# Altium PCB PS-010.PcbDoc (part 2 of 3) (continued)
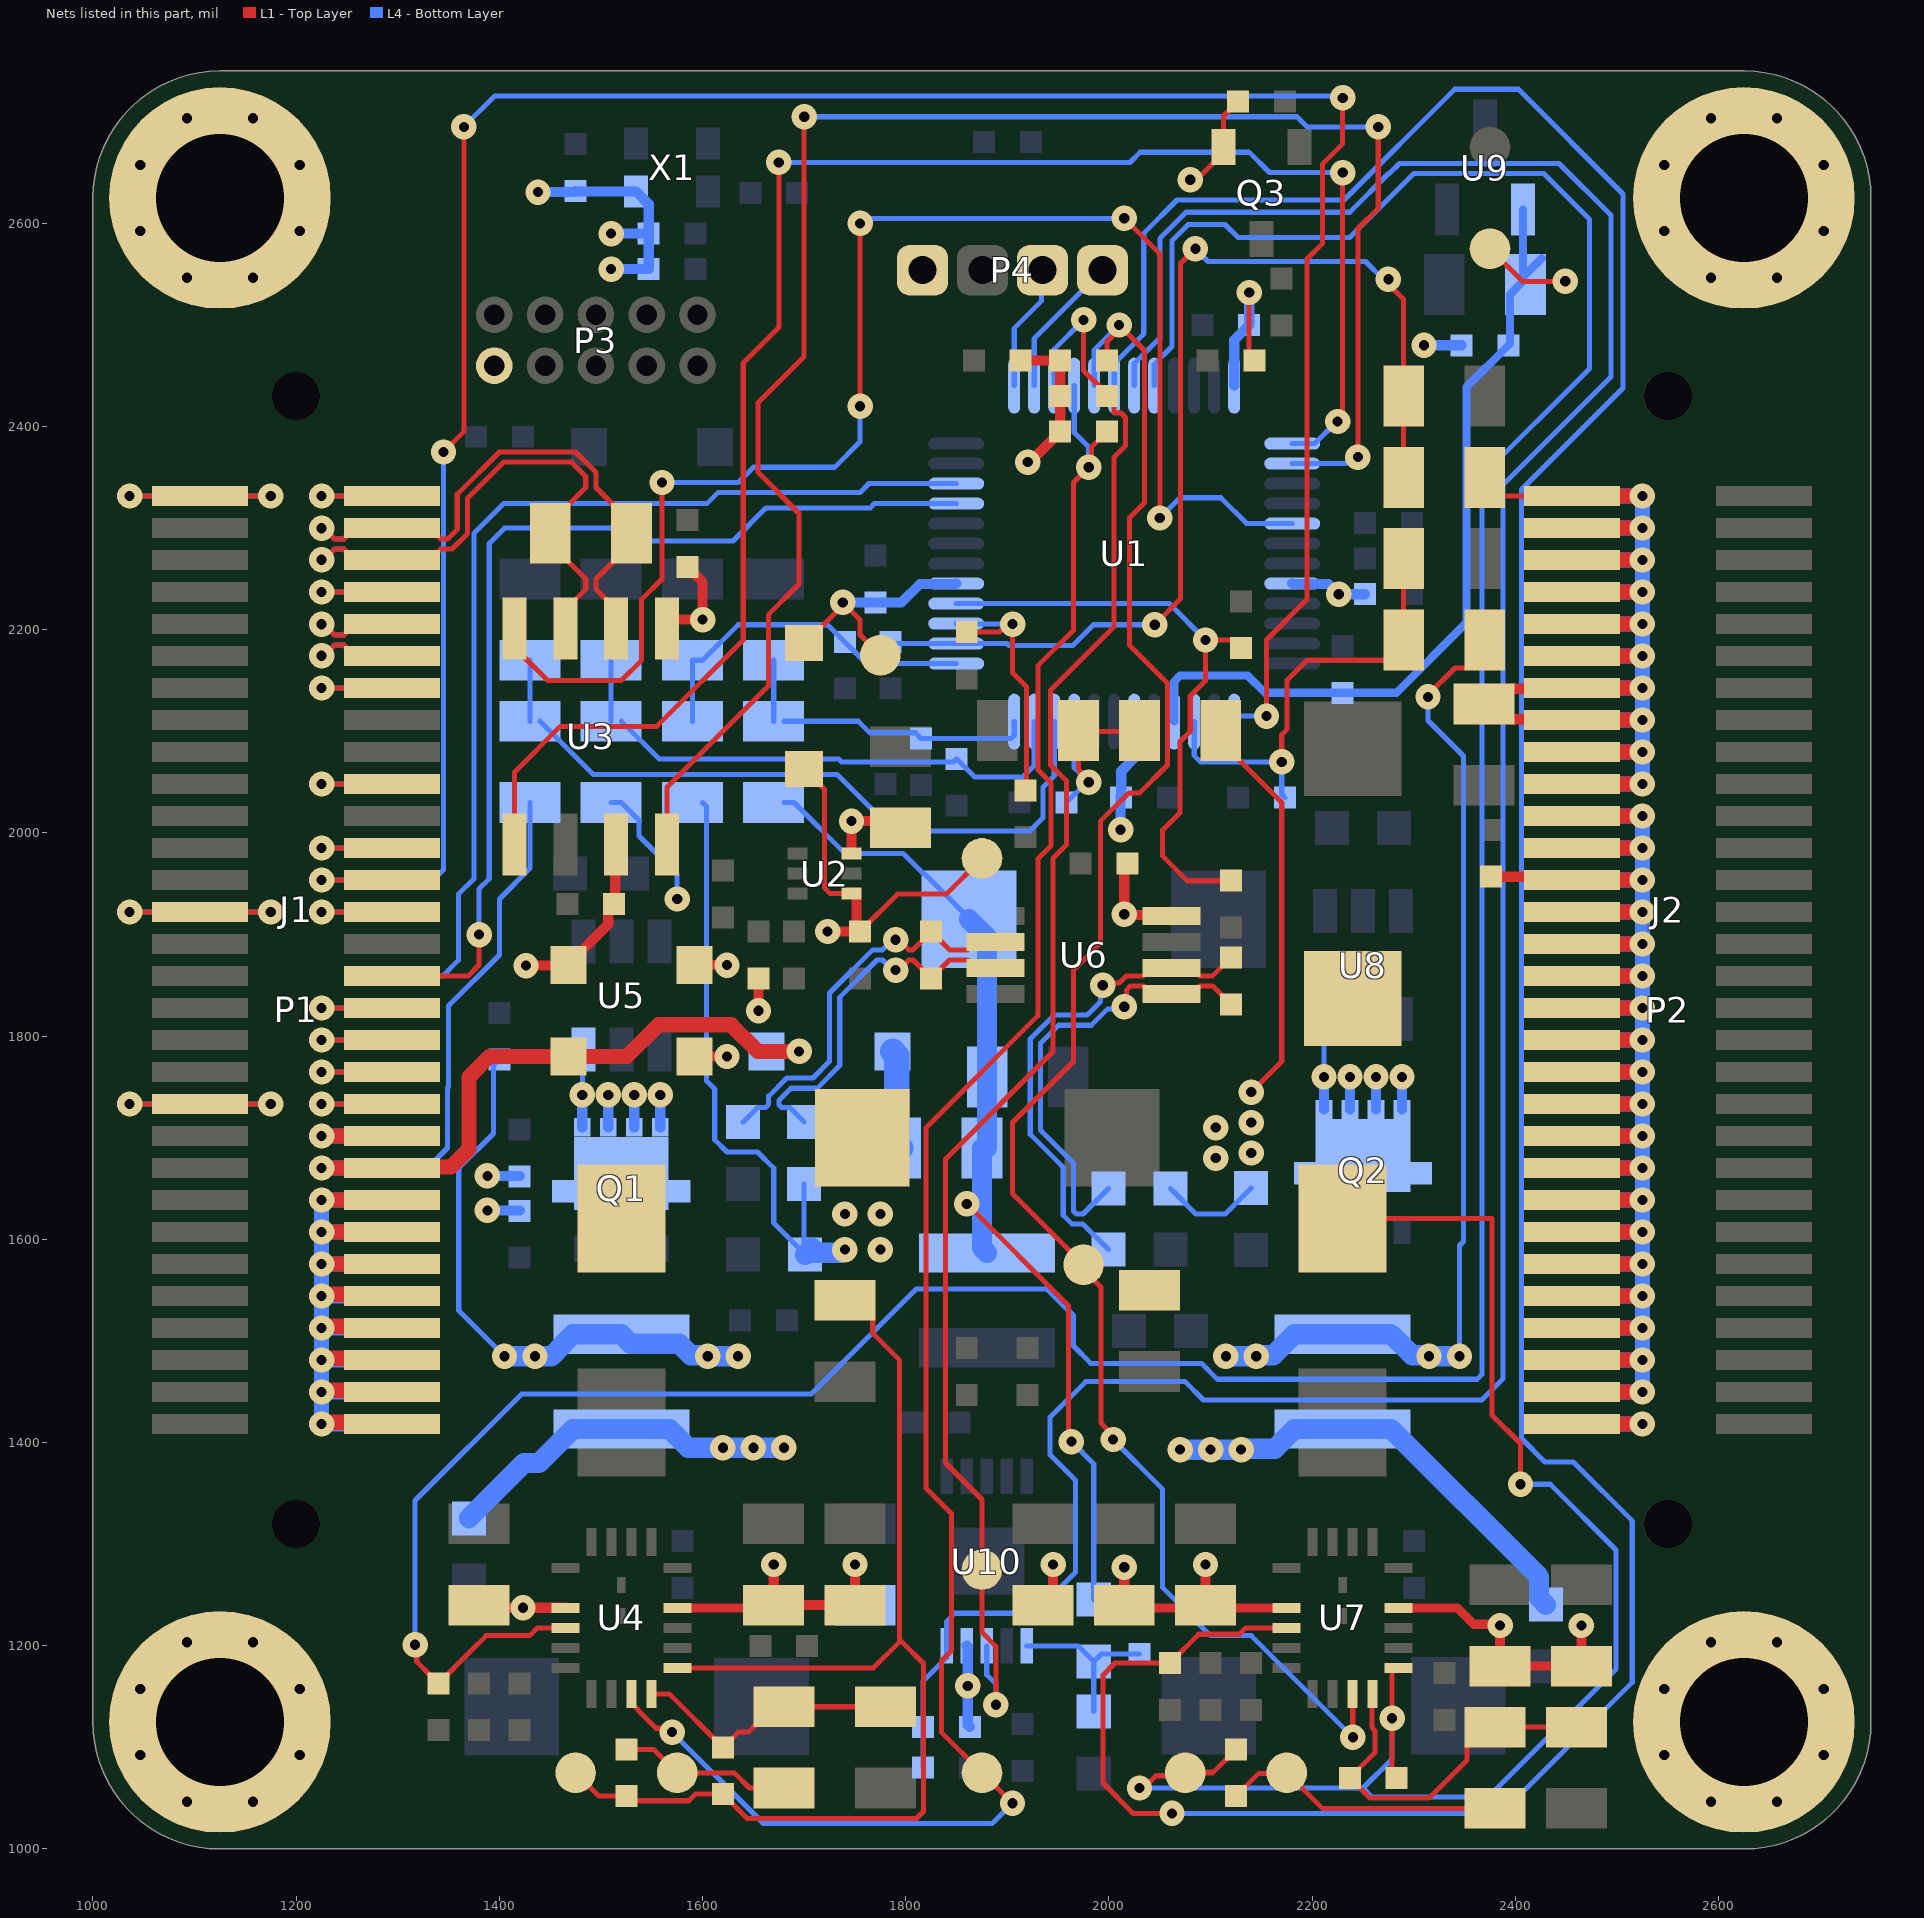
[diagram p4: the nets of this part, all layers, seen from the top]
## Nets (pads, with @x,y where several pads share a name; then routed paths per layer and width w, separated by ;. In a path a pad name is that pad's centre, name@x,y a point inside that pad or via, vN(x,y) a via of type N, cw(c..) or ccw(c..) an arc to the next point about the centre after c; other vN are vias at no path point) (continued)
  L4 - Bottom Layer w10: v1(1388.21,1628.51) C20.1@1420.21,1628.51 ; v1(1388.21,1662.51) C19.2@1420.21,1662.51 ; Q1.D@1481.61,1710.28 v1(1481.61,1742.28) ; Q1.D@1507.2,1710.28 v1(1507.2,1742.28) ; Q1.D@1532.8,1710.28 v1(1532.8,1742.28) ; Q1.D@1558.39,1710.28 v1(1558.39,1742.28)
  L4 - Bottom Layer w15: P1.60@1286.61,1418.31 v1(1225,1418.31) v1(1225,1449.8) ; P1.58@1286.61,1449.8 v1(1225,1449.8) ; P1.56@1286.61,1481.3 v1(1225,1481.3) ; P1.54@1286.61,1512.8 v1(1225,1512.8) ; P1.52@1286.61,1544.29 v1(1225,1544.29) ; P1.50@1286.61,1575.79 v1(1225,1575.79) ; P1.48@1286.61,1607.28 v1(1225,1607.28) ; P1.46@1286.61,1638.78 v1(1225,1638.78) v1(1225,1607.28) ; v1(1225,1449.8) v1(1225,1481.3) ; v1(1225,1481.3) v1(1225,1512.8) ; v1(1225,1512.8) v1(1225,1544.29) ; v1(1225,1544.29) v1(1225,1575.79) ; v1(1225,1575.79) v1(1225,1607.28)
+5V_BODE: R13.2 R35.1 TP3.1 | length 190.7
  L1 - Top Layer w5: R35.1@1525,1098 1552,1098 TP3.1@1575,1075 1631.26,1075 1646.26,1060 R13.2@1700,1060
+5V_BOOTSTRAP: D2.A D3.K J1.44 P1.44 R37.2 | length 1118.5
  L1 - Top Layer w15: v1(1225,1670.28) J1.44@1294.49,1670.28 1295.58,1671.37 1352.3,1671.37 1370,1689.07 1370,1760 1390,1780 D2.A@1467.99,1780 1525.35,1780 1556.56,1811.2 1628.16,1811.2 1654.36,1785 v1(1694.99,1785)
  L4 - Bottom Layer w5: P1.44@1286.61,1670.28 1293.96,1677.62 1336.62,1677.62 1349,1690 1349,1749 1350,1750 1350,1830 1400,1880 1400,1935 1430,1965 R37.2@1430,2030
  L4 - Bottom Layer w10: D3.K@1662.99,1785 v1(1694.99,1785)
  L4 - Bottom Layer w15: v1(1225,1670.28) P1.44@1286.61,1670.28
+5V_BT_A: D3.A R32.2 | length 98.3
  L4 - Bottom Layer w25: D3.A@1787.01,1785 1791,1781 1791,1694 R32.2@1795,1690
+5V_BT_EN: R16.1 R34.2 U1.31 U10.10 | length 2779.9
  L4 - Bottom Layer w5: R34.2@1817,1080 R16.1@1817,1120 1817,1165.19 1840.32,1188.5 U10.10@1840.32,1200 1840.32,1224 1848.32,1232 1926.7,1232 1967,1272.3 1967,1363 1942,1388 1942,1425 1977,1460 2075,1460 2093,1442 2367,1442 2388,1463 2388,2343 2494,2449 2494,2608 2443,2659 2285.86,2659 2275.86,2649 2275,2649 2237,2611 2075.86,2611 2050,2585.14 2050,2487.17 2024.84,2462.01 U1.31@2024.84,2440.35
+5V_BT_FB: C46.2 R28.2 R31.1 U10.6 | length 169.5
  L4 - Bottom Layer w5: U10.6@1919.06,1200 1969.49,1200 R31.1@1985,1184.49 ; R28.2@1985,1135.51 R31.1@1985,1184.49 ; C46.2@2030,1192 1992.51,1192 R31.1@1985,1184.49
+5V_BT_INT: C35.1 C46.1 C51.1 L5.2 R31.2 R32.1 R46.2 | length 1074.6
  L1 - Top Layer w5: v1(1860,1635) 1960,1535 1960,1404 v1(1963,1401)
  L4 - Bottom Layer w5: R46.2@1680,2030 1690,2030 1740,1980 1797.17,1980 1816.83,1960.33 1818.01,1960.33 1862.17,1916.18 C35.1@1862.17,1915 ; v1(1860,1635) 1863.83,1631.17 1874.06,1631.17 1875,1630.24 ; v1(1963,1401) 1985,1379 R31.2@1985,1245.51 1992.51,1238 C46.1@2030,1238
  L4 - Bottom Layer w20: C35.1@1862.17,1915 1880,1897.17 C51.1@1880,1760 R32.1@1880,1690 ; R32.1@1875,1690 1875,1630.24 1875,1591.65 L5.2@1880,1586.65
+5V_BT_INT_VMON: C57.2 R46.1 R49.1 U1.12 | length 308.6
  L4 - Bottom Layer w5: R46.1@1670,2110 R49.1@1670,2170 ; R46.1@1680,2110 1753.28,2110 1764.61,2098.67 1809.33,2098.67 C57.2@1815,2093 1903.59,2093 1906.73,2096.15 U1.12@1906.73,2109.65
+5V_BT_PG: R30.1 TP10.1 U1.27 U10.8 | length 1623.3
  L1 - Top Layer w5: v1(1888.65,1141.9) 1888.65,1199.6 1875,1213.24 TP10.1@1875,1275 1875,1344 1839,1380 1839,1679 1945,1785 1945,1975.26 1958,1988.26 1958,2051.39 1942.5,2066.89 1942.5,2140.5 2005,2203 2005,2369.74 2016.33,2381.07 2016.33,2408.93 2011.93,2413.33 2005,2413.33 2005,2423 R30.1@1998,2430 ; v1(1975,2505) 1975,2455 R30.1@1995,2435
  L4 - Bottom Layer w5: U10.8@1879.69,1200 1879.69,1171.51 1888.65,1162.55 v1(1888.65,1141.9) ; U1.27@1946.1,2440.35 1946.1,2476.1 v1(1975,2505)
+5V_BT_VMON: C48.2 R37.1 R42.1 U1.10 | length 709.1
  L4 - Bottom Layer w5: R37.1@1430,2110 R42.1@1430,2170 ; R37.1@1440,2110 1457.5,2092.5 1492.5,2057.5 1732.5,2057.5 1771.67,2018.33 1771.67,2010.33 C48.2@1780,2002 1922,2002 1935,2015 1935,2045 1946.1,2056.1 U1.10@1946.1,2109.65
+5V_EN: R11.2 U1.32 U4.14 | length 3328
  L1 - Top Layer w5: v1(1317,1201) 1318.64,1199.36 1318.64,1184.36 1331.67,1171.33 R11.2@1340,1163 1371.5,1194.5 1387,1210 1429.8,1210 1437.48,1217.68 U4.14@1464.88,1217.68
  L4 - Bottom Layer w5: v1(1317,1201) 1317,1343 1421.91,1447.91 1706.91,1447.91 1810,1551 1939,1551 1965,1525 1965,1495 1982,1478 2091,1478 2106.66,1462.34 2362.34,1462.34 2367,1467 2367,2351 2473,2457 2473,2604 2428,2649 2300,2649 2237,2586 2127.23,2586 2114.23,2599 2078,2599 2062,2583 2062,2478.75 2044.53,2461.28 U1.32@2044.53,2440.35
+5V_FB: C23.2 R13.1 R14.2 U4.20 | length 268.9
  L1 - Top Layer w5: U4.20@1549.53,1152.72 1567.28,1152.72 C23.2@1620,1100 1635,1115 1645,1115 1652.5,1122.5 1670,1140 R14.2@1780,1140
+5V_I_Sense_N: C26.2 R10.1 U6.2 | length 389.2
  L1 - Top Layer w5: v1(1790,1895) 1792.93,1895 1802.93,1885 1807,1885 C26.2@1825,1903 1843,1885 1860.91,1885 1868.7,1892.8 U6.2@1888.39,1892.8
  L4 - Bottom Layer w5: R10.1@1640,1715.51 1654.23,1729.74 1662.07,1729.74 1665,1732.67 1665,1740.96 1682.84,1758.8 1708.59,1758.8 1725,1775.21 1725,1842.43 1767.57,1885 1777.07,1885 1787.07,1895 v1(1790,1895)
+5V_I_Sense_P: C26.1 R9.1 U6.3 | length 372.7
  L1 - Top Layer w5: v1(1790,1865) 1792.93,1865 1802.93,1875 1807,1875 C26.1@1825,1857 1843,1875 1860.91,1875 1868.7,1867.2 U6.3@1888.39,1867.2
  L4 - Bottom Layer w5: R9.1@1700,1715.51 1685.77,1729.74 1677.93,1729.74 1675,1732.67 1675,1736.82 1686.98,1748.8 1712.73,1748.8 1735,1771.07 1735,1838.28 1771.72,1875 1777.07,1875 1787.07,1865 v1(1790,1865)
+5V_IMON: C61.2 R52.1 U1.15 | length 273.8
  L1 - Top Layer w5: C61.2@1860,2198 1892.25,2198 1899.87,2205.62 v1(1905.18,2205.62) 1905.18,2157.5 1919,2143.68 1919,2043 R52.1@1918,2042
  L4 - Bottom Layer w5: U1.15@1849.65,2206.1 1849.89,2205.86 1904.94,2205.86 v1(1905.18,2205.62)
+5V_INT: C17.1 C23.1 C33.1 L2.2 R8.1 R9.2 R35.2 R47.2 TP2.1 U4.1 | length 1758
  L1 - Top Layer w5: TP2.1@1475,1075 1498,1052 R35.2@1525,1052 1529.5,1047.5 1586.39,1047.5 1592.89,1054 C23.1@1620,1054 1644,1030 1810.61,1030 1817.5,1036.89 1817.5,1182.5 1794,1206 ; U4.1@1575.12,1178.31 1768.31,1178.31 1794,1204 1794,1206 ; C17.1@1740,1540 1750,1540 1767.5,1522.5 1767.5,1507.5 1794,1481 1794,1206
  L4 - Bottom Layer w5: R47.2@1600,2030 1604.01,2025.99 1604.01,1755.99 1612,1748 1612,1698 1624,1686 1654,1686 1670,1670 1670,1616.02 R8.1@1700,1586.02 ; R9.2@1700,1654.49 R8.1@1700,1586.02 ; R8.1@1701.02,1585 R8.1@1700,1586.02
  L4 - Bottom Layer w20: R8.1@1701.02,1585 R8.1@1707.76,1591.73 ; R8.1@1707.76,1586.73 1735.38,1586.73 1738.65,1590 v1(1740,1590)
  other v1: 1775,1590 1740,1625 1775,1625
+5V_INT_VMON: C58.2 R47.1 R50.1 U1.13 | length 350
  L4 - Bottom Layer w5: R47.1@1590,2110 R50.1@1590,2170 1600,2170 1635,2205 1723,2205 1731.67,2196.33 1761.27,2166.73 U1.13@1849.65,2166.73
+5V_PG: R7.1 TP8.1 U1.28 U4.19 | length 2006.1
  L1 - Top Layer w5: U4.19@1529.84,1152.72 1529.84,1143.86 1537.11,1136.59 1537.11,1135.83 1554.11,1118.83 1566.17,1118.83 v1(1570,1115) ; v1(1905,1045) TP8.1@1875,1075 1835,1115 1835,1185 1845,1195 1845,1330 1820,1355 1820,1710 1930,1820 1930,1974.4 1943,1987.4 1943,2049.33 1930.33,2062 ; 1930,2062 1930,2164.54 1965,2199.54 1965,2345 1982.6,2362.6 1982.6,2379.6 R7.1@1998,2395
  L4 - Bottom Layer w5: v1(1570,1115) 1660,1025 1885,1025 v1(1905,1045) ; U1.28@1965.79,2440.35 1965.79,2394.12 1980,2379.91 v1(1980,2360)
+5V_VMON: C54.2 R39.1 R43.1 U1.11 | length 539.5
  L4 - Bottom Layer w5: R39.1@1510,2110 R43.1@1510,2170 ; R39.1@1520,2110 1557,2073 1733.72,2073 1736.72,2070 1847,2070 C54.2@1850,2073 1867.81,2055.19 1915.19,2055.19 1926.42,2066.42 U1.11@1926.42,2109.65
+12V: C47.1 J2.1 J2.3 J2.5 J2.7 J2.9 J2.11 J2.13 J2.15 J2.17 J2.19 P2.1 P2.3 P2.5 P2.7 P2.9 P2.11 P2.13 P2.15 P2.17 P2.19 Q2.D R40.2 U8.6 | length 2080
  L1 - Top Layer w5: R40.2@2370,2350 2370,2349.19 2387.5,2331.69 J2.1@2455.51,2331.69
  L1 - Top Layer w10: C47.1@2357,2124 C47.1@2367,2124 ; J2.15@2455.51,2111.22 2454.73,2112 2382,2112 2367,2127 2382,2142 2454.8,2142 J2.13@2455.51,2142.72
  L1 - Top Layer w15: J2.15@2453.17,2113.56 J2.15@2455.51,2111.22 v1(2525,2111.22) ; J2.13@2453.17,2140.37 J2.13@2455.51,2142.72 v1(2525,2142.72) ; J2.19@2455.51,2048.23 v1(2525,2048.23) ; J2.17@2455.51,2079.72 v1(2525,2079.72) ; J2.11@2455.51,2174.21 v1(2525,2174.21) ; J2.9@2455.51,2205.71 v1(2525,2205.71) ; J2.7@2455.51,2237.2 v1(2525,2237.2) ; J2.5@2455.51,2268.7 v1(2525,2268.7) ; J2.3@2455.51,2300.2 v1(2525,2300.2) ; J2.1@2455.51,2331.69 v1(2525,2331.69)
  L4 - Bottom Layer w5: v1(2211.61,1759.99) 2211.61,1815.87 U8.6@2212.6,1816.85
  L4 - Bottom Layer w10: Q2.D@2211.61,1727.99 v1(2211.61,1759.99) ; Q2.D@2237.2,1727.99 v1(2237.2,1759.99) ; Q2.D@2262.8,1727.99 v1(2262.8,1759.99) ; Q2.D@2288.39,1727.99 v1(2288.39,1759.99)
  L4 - Bottom Layer w15: P2.19@2463.39,2048.23 v1(2525,2048.23) v1(2525,2079.72) ; P2.17@2463.39,2079.72 v1(2525,2079.72) ; P2.15@2463.39,2111.22 v1(2525,2111.22) ; P2.13@2463.39,2142.72 v1(2525,2142.72) ; P2.11@2463.39,2174.21 v1(2525,2174.21) ; P2.9@2463.39,2205.71 v1(2525,2205.71) ; P2.7@2463.39,2237.2 v1(2525,2237.2) ; P2.5@2463.39,2268.7 v1(2525,2268.7) ; P2.3@2463.39,2300.2 v1(2525,2300.2) ; P2.1@2463.39,2331.69 v1(2525,2331.69) v1(2525,2300.2) ; v1(2525,2079.72) v1(2525,2111.22) ; v1(2525,2111.22) v1(2525,2142.72) ; v1(2525,2142.72) v1(2525,2174.21) ; v1(2525,2174.21) v1(2525,2205.71) ; v1(2525,2205.71) v1(2525,2237.2) ; v1(2525,2237.2) v1(2525,2268.7) ; v1(2525,2268.7) v1(2525,2300.2)
+12V_BODE: R23.2 R38.1 TP5.1 | length 279
  L1 - Top Layer w5: R38.1@2125,1052 2147.5,1074.5 2174.5,1074.5 TP5.1@2175,1075 2210,1040 R23.2@2380,1040
+12V_EN: R21.2 U1.30 U7.14 | length 3206.1
  L1 - Top Layer w5: v1(2062,1035) 2024,1035 1994,1065 1994,1171 2006,1183 R21.2@2060,1183 2088.33,1211.33 2128.35,1211.33 2134.7,1217.68 U7.14@2184.88,1217.68
  L4 - Bottom Layer w5: U1.30@2005.16,2440.35 2005.16,2462.01 2034.17,2491.02 2034.17,2590.17 2067,2623 2231.28,2623 2340.28,2732 2403,2732 2506,2629 2506,2438 2406,2338 2406,1404 2429,1381 2457,1381 2515,1323 2515,1164 2386,1035 v1(2062,1035)
+12V_FB: C38.2 R23.1 R24.2 U7.20 | length 363.6
  L1 - Top Layer w5: U7.20@2259.53,1152.72 2258.68,1151.87 2258.68,1119.6 2261.67,1116.61 2261.67,1094.67 C38.2@2237,1070 2257,1050 2314.95,1050 2352.5,1087.55 2352.5,1102.5 2370,1120 R23.1@2380,1120 R24.2@2460,1120
+12V_I_Sense_N: C41.2 R20.1 U6.6 | length 490.9
  L1 - Top Layer w5: v1(1993.79,1850.21) 1995.86,1852.28 2010,1852.28 2017.13,1859.41 2034.13,1859.41 2041.93,1867.2 U6.6@2061.61,1867.2 2081.3,1867.2 2089.09,1859.41 2102,1859.41 C41.2@2120,1877.41
  L4 - Bottom Layer w5: v1(1993.79,1850.21) 1991.72,1848.14 1991.72,1834 1978.52,1820.8 1946.05,1820.8 1922.5,1797.25 1922.5,1703.36 1952.93,1672.93 1955,1670.86 1955,1623.79 1963.79,1615 1974.49,1615 R20.1@1999.49,1590
+12V_I_Sense_P: C41.1 R19.1 U6.5 | length 457.7
  L1 - Top Layer w5: v1(2015,1829) 2017.07,1831.07 2017.07,1845.21 2021.27,1849.41 2034.13,1849.41 2041.93,1841.61 U6.5@2061.61,1841.61 2081.3,1841.61 2089.09,1849.41 2102,1849.41 C41.1@2120,1831.41
  L4 - Bottom Layer w5: R19.1@1999.49,1650 1974.49,1625 1967.93,1625 1965,1627.93 1965,1675 1952.93,1687.07 1932.5,1707.5 1932.5,1793.11 1950.2,1810.8 1982.66,1810.8 1998.79,1826.93 2012.93,1826.93 v1(2015,1829)
+12V_IMON: C62.2 R53.1 U1.16 | length 606
  L1 - Top Layer w5: R53.1@2120,1953 2077,1953 2052.83,1977.17 2052.83,2002.83 2069.79,2019.79 2069.79,2042.77 2070,2042.98 2070,2090 2080,2100 2080,2134.79 2095,2149.79 v1(2095,2190) 2122,2190 C62.2@2130,2182
  L4 - Bottom Layer w5: U1.16@1849.65,2225.79 2059.21,2225.79 v1(2095,2190)
+12V_INT: C32.1 C34.1 C38.1 L4.2 R18.1 R19.2 R38.2 R48.2 TP4.1 U7.1 | length 2011.3
  L1 - Top Layer w5: v1(2030,1060) 2034.11,1060 2046.2,1072.09 2072.09,1072.09 TP4.1@2075,1075 ; C32.1@2040,1550 C32.1@2041,1549 ; R48.2@2110,2100 2110,2090 2170,2030 2170,1775 v1(2140,1745) ; R38.2@2125,1098 2102.5,1075.5 ; L4.2@2230,1620.39 2377,1620.39 2377,1427 2405,1399 v1(2405,1359) ; C38.1@2283,1070 2278.68,1074.32 v1(2278.68,1128.75) 2278.68,1175.89 2281.1,1178.31 U7.1@2285.12,1178.31 ; TP4.1@2075,1075 2075.5,1075.5 2102.5,1075.5 ; TP4.1@2075,1075 2102,1075 2102.5,1075.5
  L4 - Bottom Layer w5: v1(2030,1060) 2250,1060 ; R19.2@2060.51,1650 2085.51,1625 2114.49,1625 R18.1@2140,1650.51 ; v1(2278.68,1128.75) 2278.68,1088.68 2250,1060 ; v1(2405,1359) 2434.28,1359 2499,1294.28 2499,1177 2373,1051 2259,1051 2250,1060
  other v1: 2105,1680 2140,1685 2105,1710 2140,1715
+12V_INT_VMON: C59.2 R48.1 R51.1 U1.9 | length 210
  L1 - Top Layer w5: v1(1980,2050) 1980,2052.5 1970,2062.5 1970,2100 R48.1@2030,2100
  L4 - Bottom Layer w5: C59.2@1958,2030 1978,2050 v1(1980,2050) 1965.79,2064.21 U1.9@1965.79,2109.65
+12V_PG: R17.1 TP9.1 U1.29 U7.19 | length 1806.2
  L1 - Top Layer w5: R17.1@1998,2465 1998,2483.72 2010,2495.72 v1(2010,2500) 2035,2475 2035,2325 2020,2310 2020,2185 2057.5,2147.5 2057.5,2066.89 2029.8,2039.19 2019.19,2039.19 1991.49,2011.49 1991.49,1891.49 1965,1865 1965,1775 1905,1715 1905,1645 TP9.1@1975,1575 1975,1570.11 1992,1553.11 1992,1419.28 2004,1407.28 v1(2004,1403) ; U7.19@2239.84,1152.72 2239.92,1152.64 2239.92,1110.08 v1(2240,1110)
  L4 - Bottom Layer w5: U1.29@1985.47,2440.35 1985.47,2475.47 v1(2010,2500) ; v1(2004,1403) 2052.5,1354.5 2052.5,1257.5 2100,1210 2140,1210 v1(2240,1110)
+12V_VMON: C55.2 R40.1 R44.1 U1.14 | length 1060.1
  L1 - Top Layer w5: v1(2045,2205) 2070.5,2230.5 2070.5,2560.5 v1(2085,2575) ; v1(2275,2545) 2275,2540 2290,2525 R44.1@2290,2430 R40.1@2290,2350
  L4 - Bottom Layer w5: C55.2@1785,2188 1786.58,2186.42 1899.59,2186.42 1901.51,2184.5 1964.35,2184.5 1984.85,2205 v1(2045,2205) ; v1(2085,2575) 2097.5,2562.5 2252.5,2562.5 2270,2545 v1(2275,2545)
+VBAT: J2.21 J2.23 J2.25 J2.27 J2.29 J2.31 J2.33 J2.35 J2.37 J2.39 J2.41 J2.43 J2.45 J2.47 J2.49 J2.51 J2.53 J2.55 J2.57 L1.1 L3.1 P2.21 P2.23 P2.25 P2.27 P2.29 P2.31 P2.33 P2.35 P2.37 P2.39 P2.41 P2.43 P2.45 P2.47 P2.49 P2.51 P2.53 P2.55 P2.57 R15.2 R25.2 R41.2 | length 4722.6
  L1 - Top Layer w5: v1(2314,2134) 2314,2136.02 2340.48,2162.5 2352.5,2162.5 2370,2180 R41.2@2370,2190
  L1 - Top Layer w10: R25.2@2375,1957 2452.25,1957 J2.25@2455.51,1953.74
  L1 - Top Layer w15: J2.57@2455.51,1449.8 v1(2525,1449.8) ; J2.55@2455.51,1481.3 v1(2525,1481.3) ; J2.53@2455.51,1512.8 v1(2525,1512.8) ; J2.51@2455.51,1544.29 v1(2525,1544.29) ; J2.49@2455.51,1575.79 v1(2525,1575.79) ; J2.47@2455.51,1607.28 v1(2525,1607.28) ; J2.45@2455.51,1638.78 v1(2525,1638.78) ; J2.43@2455.51,1670.28 v1(2525,1670.28) ; J2.41@2455.51,1701.77 v1(2525,1701.77) ; J2.39@2455.51,1733.27 v1(2525,1733.27) ; J2.37@2455.51,1764.76 v1(2525,1764.76) ; J2.35@2455.51,1796.26 v1(2525,1796.26) ; J2.33@2455.51,1827.76 v1(2525,1827.76) ; J2.31@2455.51,1859.25 v1(2525,1859.25) ; J2.29@2455.51,1890.75 v1(2525,1890.75) ; J2.27@2455.51,1922.24 v1(2525,1922.24) ; J2.25@2455.51,1953.74 v1(2525,1953.74) ; J2.23@2455.51,1985.24 v1(2525,1985.24) ; J2.21@2455.51,2016.73 v1(2525,2016.73)
  L4 - Bottom Layer w5: R15.2@1400,1777 1394.31,1771.31 1394.31,1704.31 1360,1670 1360,1555 1360,1530 v1(1405,1485) ; v1(2314,2134) 2314,2110.7 2349,2075.7 2349,1598 2345,1594 v1(2345,1485)
  L4 - Bottom Layer w10: P2.33@2461.26,1829.88 P2.33@2463.39,1827.76
  L4 - Bottom Layer w15: P2.57@2463.39,1449.8 v1(2525,1449.8) v1(2525,1481.3) ; P2.55@2463.39,1481.3 v1(2525,1481.3) ; P2.53@2463.39,1512.8 v1(2525,1512.8) ; P2.51@2463.39,1544.29 v1(2525,1544.29) ; P2.49@2463.39,1575.79 v1(2525,1575.79) ; P2.47@2463.39,1607.28 v1(2525,1607.28) ; P2.45@2463.39,1638.78 v1(2525,1638.78) ; P2.43@2463.39,1670.28 v1(2525,1670.28) ; P2.41@2463.39,1701.77 v1(2525,1701.77) ; P2.39@2463.39,1733.27 v1(2525,1733.27) ; P2.37@2463.39,1764.76 v1(2525,1764.76) ; P2.35@2463.39,1796.26 v1(2525,1796.26) ; P2.33@2463.39,1827.76 v1(2525,1827.76) ; P2.31@2463.39,1859.25 v1(2525,1859.25) ; P2.29@2463.39,1890.75 v1(2525,1890.75) ; P2.27@2463.39,1922.24 v1(2525,1922.24) ; P2.25@2463.39,1953.74 v1(2525,1953.74) ; P2.23@2463.39,1985.24 v1(2525,1985.24) ; P2.21@2463.39,2016.73 v1(2525,2016.73) v1(2525,1985.24) ; v1(2525,1481.3) v1(2525,1512.8) ; v1(2525,1512.8) v1(2525,1544.29) ; v1(2525,1544.29) v1(2525,1575.79) ; v1(2525,1575.79) v1(2525,1607.28) ; v1(2525,1607.28) v1(2525,1638.78) ; v1(2525,1638.78) v1(2525,1670.28) ; v1(2525,1670.28) v1(2525,1701.77) ; v1(2525,1701.77) v1(2525,1733.27) ; v1(2525,1733.27) v1(2525,1764.76) ; v1(2525,1764.76) v1(2525,1796.26) ; v1(2525,1796.26) v1(2525,1827.76) ; v1(2525,1827.76) v1(2525,1859.25) ; v1(2525,1859.25) v1(2525,1890.75) ; v1(2525,1890.75) v1(2525,1922.24) ; v1(2525,1922.24) v1(2525,1953.74) ; v1(2525,1953.74) v1(2525,1985.24)
  L4 - Bottom Layer w20: v1(1405,1485) v1(1435,1485) ; v1@1430,1485 1451.36,1485 1463.07,1496.72 1463.07,1497.36 1472.36,1506.65 L1.1@1520,1506.65 1529.29,1497.36 1576.93,1497.36 1588.33,1485.96 1604.04,1485.96 v1(1605,1485) v1(1635,1485) ; v1(2115,1485) v1(2145,1485) 2145.96,1485.96 2161.67,1485.96 2182.36,1506.65 L3.1@2230,1506.65 2277.64,1506.65 2298.33,1485.96 2314.04,1485.96 v1(2315,1485) v1(2345,1485)
+VBAT_BOOTSTRAP: J2.59 P2.59 | length 131.1
  L1 - Top Layer w15: J2.59@2455.51,1418.31 v1(2525,1418.31)
  L4 - Bottom Layer w15: P2.59@2463.39,1418.31 v1(2525,1418.31)
+VBAT_FILT_A: C11.1 C14.1 C15.1 C49.1 L1.2 R6.2 R16.2 U4.4 U4.13 U10.9 | length 831.3
  L1 - Top Layer w9: U4.4@1575.12,1237.36 C14.1@1657.36,1237.36
  L1 - Top Layer w10: C11.1@1370,1240 1372.64,1237.36 v1(1423.27,1237.36) U4.13@1464.88,1237.36 ; C14.1@1657.36,1237.36 1660,1240 C14.1@1670,1240 ; v1(1670,1280) C14.1@1670,1240 ; v1(1750,1280) C15.1@1750,1240 C14.1@1670,1240
  L4 - Bottom Layer w10: v1(1750,1280) 1750,1250 C49.1@1760,1240 ; U10.9@1860,1200 1861,1199 1861,1122 R16.2@1863,1120
  L4 - Bottom Layer w20: R6.2@1370,1325.51 1424.49,1380 1439.02,1380 1472.36,1413.35 1567.64,1413.35 1585.98,1395 v1(1650,1395) v1(1680,1395)
  other v1: 1861,1160.5 1620,1395
+VBAT_FILT_B: C27.1 C28.1 C29.1 C30.1 C45.1 L3.2 R29.2 U7.4 U7.13 | length 1002.7
  L1 - Top Layer w9: C30.1@1945,1240 C30.1@1947.64,1237.36 ; C29.1@2015,1237.36 U7.13@2174.88,1237.36 ; U7.4@2285.12,1237.36 2342.79,1237.36 2359,1221.15 2383.85,1221.15 v1(2385,1220) ; C45.1@2385,1180 C27.1@2465,1180
  L1 - Top Layer w10: C30.1@1945,1240 v1(1945,1280) ; C29.1@2015,1237.36 C29.1@2015,1240 v1(2015,1277.36) ; C28.1@2095,1240 v1(2095,1280) ; C45.1@2385,1180 v1(2385,1220) ; C27.1@2465,1180 v1(2465,1220)
  L4 - Bottom Layer w20: v1(2070,1393.11) v1(2100,1393.11) v1(2130,1393.11) 2130.94,1394.06 2163.07,1394.06 2182.36,1413.35 2277.64,1413.35 2423.27,1267.72 2423.27,1247.24 R29.2@2430,1240.51
+VBAT_VMON: C56.2 R41.1 R45.2 U1.3 | length 453.5
  L1 - Top Layer w5: v1(2170,2070) 2170,2096.67 2175,2101.67 2175,2150 2195,2170 2272.5,2170 2290,2187.5 R45.2@2290,2270
  L4 - Bottom Layer w5: U1.3@2083.9,2109.65 2083.9,2076.1 2090,2070 v1(2170,2070) 2170,2038 C56.2@2173,2035
CAN0_N: J1.4 P1.4 R1.2 U3.6 | length 633.2
  L1 - Top Layer w5: v1(1225,2299.95) 1227.43,2299.95 1237.93,2289.45 1246.82,2289.45 1249.74,2292.38 1249.74,2292.85 1257.09,2300.2 J1.4@1294.49,2300.2 1331.89,2300.2 1339.23,2292.85 1339.23,2292.38 1342.16,2289.45 1349.23,2289.45 1358.5,2298.72 1358.5,2333.5 1400,2375 1475,2375 1495,2355 1495,2340 1530,2305 R1.2@1530,2295 ; R1.2@1512.5,2311.36 1530,2293.86 1530,2285 1495,2250 1495,2240 1515,2220 U3.6@1515,2201.3
  L4 - Bottom Layer w5: v1(1225,2299.95) 1227.43,2299.95 1237.93,2289.45 1246.82,2289.45 1249.74,2292.38 1249.74,2292.85 1257.09,2300.2 P1.4@1286.61,2300.2
CAN0_P: J1.6 P1.6 R1.1 U3.7 | length 593
  L1 - Top Layer w5: v1(1225,2268.95) 1227.43,2268.95 1237.93,2279.45 1246.82,2279.45 1249.74,2276.52 1249.74,2276.04 1257.09,2268.7 J1.6@1294.49,2268.7 1331.89,2268.7 1339.23,2276.04 1339.23,2276.52 1342.16,2279.45 1353.37,2279.45 1368.5,2294.58 1368.5,2329.36 1404.14,2365 1470.86,2365 1485,2350.86 1485,2340 1450,2305 R1.1@1450,2295 1450,2285 1485,2250 1485,2240 1465,2220 U3.7@1465,2201.3
  L4 - Bottom Layer w5: v1(1225,2268.95) 1227.43,2268.95 1237.93,2279.45 1246.82,2279.45 1249.74,2276.52 1249.74,2276.04 1257.09,2268.7 P1.6@1286.61,2268.7
CAN0_RX: U1.38 U3.4 | length 1775.5
  L1 - Top Layer w5: U3.4@1565,1988.7 1565,2045 1664.72,2144.72 1664.72,2214.72 1695,2245 1695,2314.5 1654.5,2355 1654.5,2423.49 1700,2468.99 v1(1700,2705) ; v1(2245,2370) 2245,2595 2265,2615 v1(2265,2695)
  L4 - Bottom Layer w5: v1(1700,2705) 2185,2705 2195,2695 v1(2265,2695) ; U1.38@2180.35,2363.58 2233.17,2363.58 2239.59,2370 v1(2245,2370)
CAN0_STBY: U1.41 U3.8 | length 1496.1
  L1 - Top Layer w5: U3.8@1415,2201.3 1415,2182.6 1423.81,2173.79 1447.6,2150 1520,2150 1540,2170 1540,2230 1560,2250 v1(1560,2345) ; v1(1755,2420) v1(1755,2600) ; v1(2015,2605) 2050,2570 v1(2050,2310)
  L4 - Bottom Layer w5: v1(1560,2345) 1635,2345 1650,2360 1730,2360 1755,2385 v1(1755,2420) ; v1(1755,2600) 1760,2605 v1(2015,2605) ; v1(2050,2310) 2070,2330 2110,2330 2135.47,2304.53 U1.41@2180.35,2304.53
CAN0_TX: U1.37 U3.1 | length 1702.8
  L1 - Top Layer w5: U3.1@1415,1988.7 1415,2060 1460,2105 1555,2105 1640,2190 1640,2462.5 1675,2497.5 v1(1675,2660) ; v1(2225,2405) 2230,2410 v1(2230,2650)
  L4 - Bottom Layer w5: v1(1675,2660) 2020.72,2660 2030.72,2670 2137.92,2670 2157.92,2650 v1(2230,2650) ; U1.37@2180.35,2383.27 2202.64,2383.27 2224.37,2405 v1(2225,2405)
CAN1_N: J1.10 P1.10 | length 149.3
  L1 - Top Layer w5: v1(1225,2205.46) 1227.43,2205.46 1237.93,2194.96 1246.82,2194.96 1249.74,2197.89 1249.74,2198.37 1257.09,2205.71 J1.10@1294.49,2205.71
  L4 - Bottom Layer w5: v1(1225,2205.46) 1227.43,2205.46 1237.93,2194.96 1246.82,2194.96 1249.74,2197.89 1249.74,2198.37 1257.09,2205.71 P1.10@1286.61,2205.71
CAN1_P: J1.12 P1.12 | length 149.3
  L1 - Top Layer w5: v1(1225,2174.46) 1227.43,2174.46 1237.93,2184.96 1246.82,2184.96 1249.74,2182.03 1249.74,2181.55 1257.09,2174.21 J1.12@1294.49,2174.21
  L4 - Bottom Layer w5: v1(1225,2174.46) 1227.43,2174.46 1237.93,2184.96 1246.82,2184.96 1249.74,2182.03 1249.74,2181.56 1257.09,2174.21 P1.12@1286.61,2174.21
CTRL_SYNC: J1.26 P1.26 U1.1 | length 2485.6
  L1 - Top Layer w5: v1(1225,1953.74) J1.26@1294.49,1953.74 ; v1(1345,2375) 1365,2395 v1(1365,2695) ; v1(2155,2115) 2155,2190 2195,2230 2195,2565 2210,2580 2210,2658.28 2230,2678.28 v1(2230,2723.5)
  L4 - Bottom Layer w5: v1(1225,1953.74) P1.26@1286.61,1953.74 1335,1953.74 1345,1963.74 v1(1345,2375) ; v1(1365,2695) 1395.5,2725.5 v1@2230,2725.5 ; U1.1@2123.27,2109.65 2123.27,2111.85 2126.41,2115 v1(2155,2115)
DEBUG_RX: P4.4 U1.26 | length 141.4
  L4 - Bottom Layer w5: U1.26@1926.42,2440.35 1926.42,2486.73 P4.4@1993.58,2553.9
DEBUG_TX: P4.3 U1.25 | length 125.1
  L4 - Bottom Layer w5: U1.25@1906.73,2440.35 1906.73,2496.73 1933.41,2523.41 1933.41,2552.78 P4.3@1934.53,2553.9
DETECT_A: J1.32 U1.21 | length 995.3
  L1 - Top Layer w5: J1.32@1294.49,1859.25 1369.25,1859.25 1380,1870 v1(1380,1900)
  L4 - Bottom Layer w5: v1(1380,1900) 1380,1945 1390,1955 1390,2285 1405,2300 1510,2300 1522.5,2287.5 1630,2287.5 1662.5,2320 1765,2320 1769.21,2324.21 U1.21@1849.65,2324.21
DETECT_B: P1.32 U1.22 | length 1001
  L4 - Bottom Layer w5: P1.32@1286.61,1859.25 1344.25,1859.25 1359.63,1874.63 1359.63,1939.63 1375,1955 1375,2295 1404.5,2324.5 1570,2324.5 1604.51,2324.5 1615.01,2335 1755,2335 1763.9,2343.9 U1.22@1849.65,2343.9
DRAIN: J1.1 J1.2 J1.8 J1.14 J1.20 J1.24 J1.27 J1.28 J1.39 J1.40 P1.1 P1.2 P1.8 P1.14 P1.20 P1.24 P1.27 P1.28 P1.39 P1.40 pad.0 | length 1704.3
  L1 - Top Layer w5: v1(1036.02,1733.27) J1.39@1105.51,1733.27 v1(1175,1733.27) ; v1(1036.02,1922.24) J1.27@1105.51,1922.24 v1(1175,1922.24) ; v1(1036.02,2331.69) J1.1@1105.51,2331.69 v1(1175,2331.69) ; v1(1225,1733.27) J1.40@1294.49,1733.27 ; v1(1225,1922.24) J1.28@1294.49,1922.24 ; v1(1225,1985.24) J1.24@1294.49,1985.24 ; v1(1225,2048.23) J1.20@1294.49,2048.23 ; v1(1225,2142.72) J1.14@1294.49,2142.72 ; v1(1225,2237.2) J1.8@1294.49,2237.2 ; v1(1225,2331.69) J1.2@1294.49,2331.69
  L4 - Bottom Layer w5: v1(1036.02,1733.27) P1.39@1097.64,1733.27 ; v1(1036.02,1922.24) P1.27@1097.64,1922.24 ; v1(1036.02,2331.69) P1.1@1097.64,2331.69 ; P1.39@1113.39,1733.27 v1(1175,1733.27) ; P1.27@1113.39,1922.24 v1(1175,1922.24) ; P1.1@1113.39,2331.69 v1(1175,2331.69) ; v1(1225,1733.27) P1.40@1286.61,1733.27 ; v1(1225,1922.24) P1.28@1286.61,1922.24 ; v1(1225,1985.24) P1.24@1286.61,1985.24 ; v1(1225,2048.23) P1.20@1286.61,2048.23 ; v1(1225,2142.72) P1.14@1286.61,2142.72 ; v1(1225,2237.2) P1.8@1286.61,2237.2 ; v1(1225,2331.69) P1.2@1286.61,2331.69
  other v1: 1092.47,1046.47 1157.53,1046.47 2592.47,1046.47 2657.53,1046.47 1046.47,1092.47 1203.53,1092.47 2546.47,1092.47 2703.53,1092.47 1046.47,1157.53 1203.53,1157.53 2546.47,1157.53 2703.53,1157.53 1092.47,1203.53 1157.53,1203.53 2592.47,1203.53 2657.53,1203.53 1092.47,2546.47 1157.53,2546.47 2592.47,2546.47 2657.53,2546.47 1046.47,2592.47 1203.53,2592.47 2546.47,2592.47 2703.53,2592.47 1046.47,2657.53 1203.53,2657.53 2546.47,2657.53 2703.53,2657.53 1092.47,2703.53 1157.53,2703.53 2592.47,2703.53 2657.53,2703.53
EN_0: J1.34 P1.34 | length 131.1
  L1 - Top Layer w5: v1(1225,1827.76) J1.34@1294.49,1827.76
  L4 - Bottom Layer w5: v1(1225,1827.76) P1.34@1286.61,1827.76
EN_1: J1.36 P1.36 | length 131.1
  L1 - Top Layer w5: v1(1225,1796.26) J1.36@1294.49,1796.26
  L4 - Bottom Layer w5: v1(1225,1796.26) P1.36@1286.61,1796.26
EN_2: J1.38 P1.38 | length 131.1
  L1 - Top Layer w5: v1(1225,1764.76) J1.38@1294.49,1764.76
  L4 - Bottom Layer w5: v1(1225,1764.76) P1.38@1286.61,1764.76